# KiCad board Eclipse60 - Copy.kicad_pcb
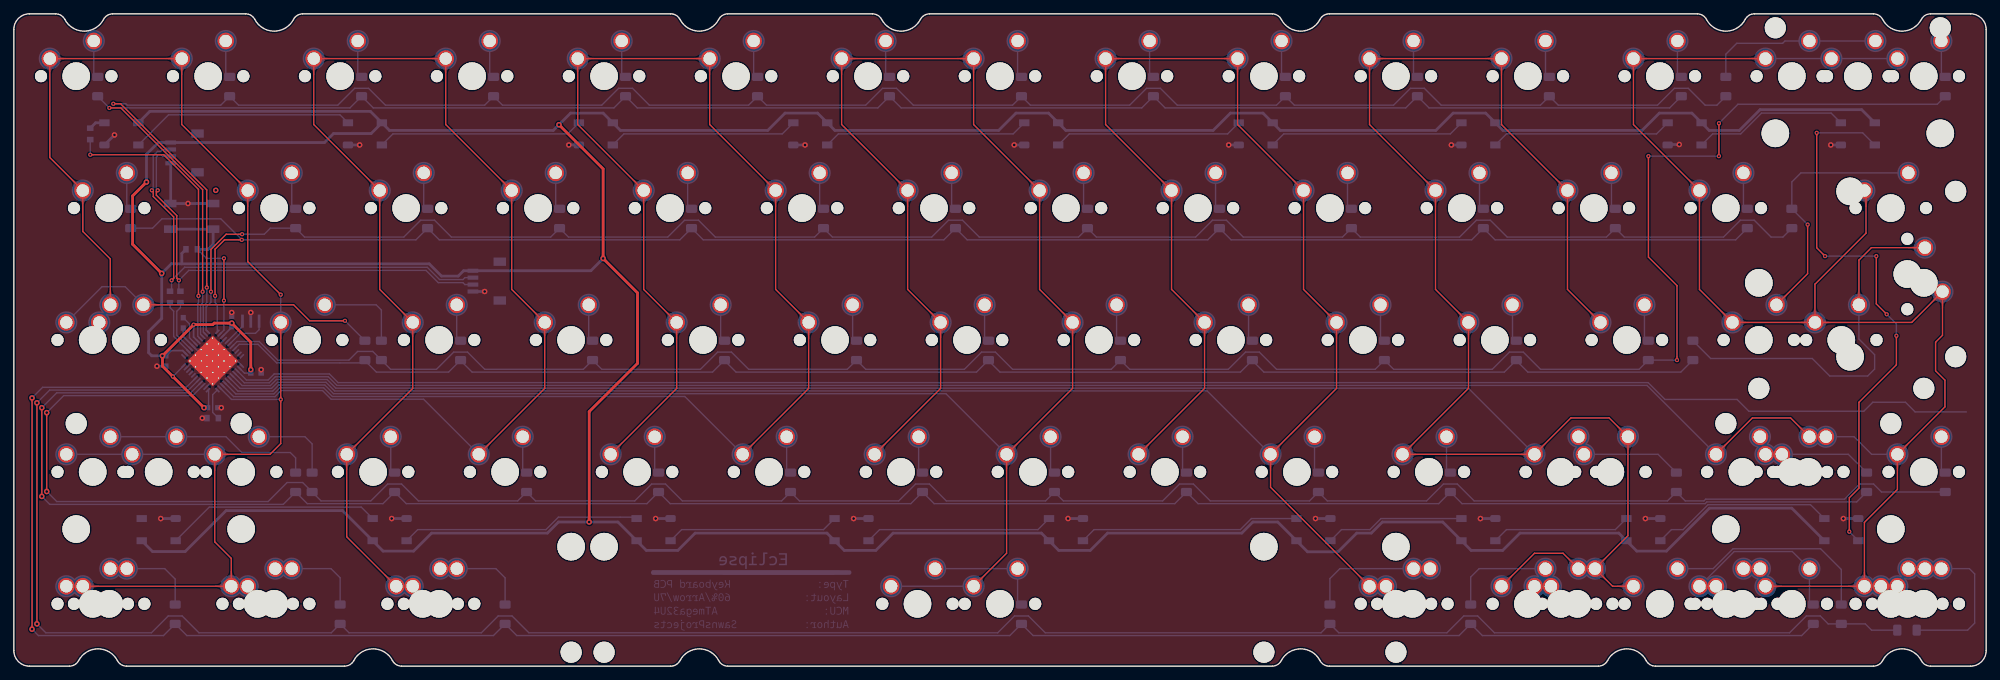
[diagram p0: board, top side]
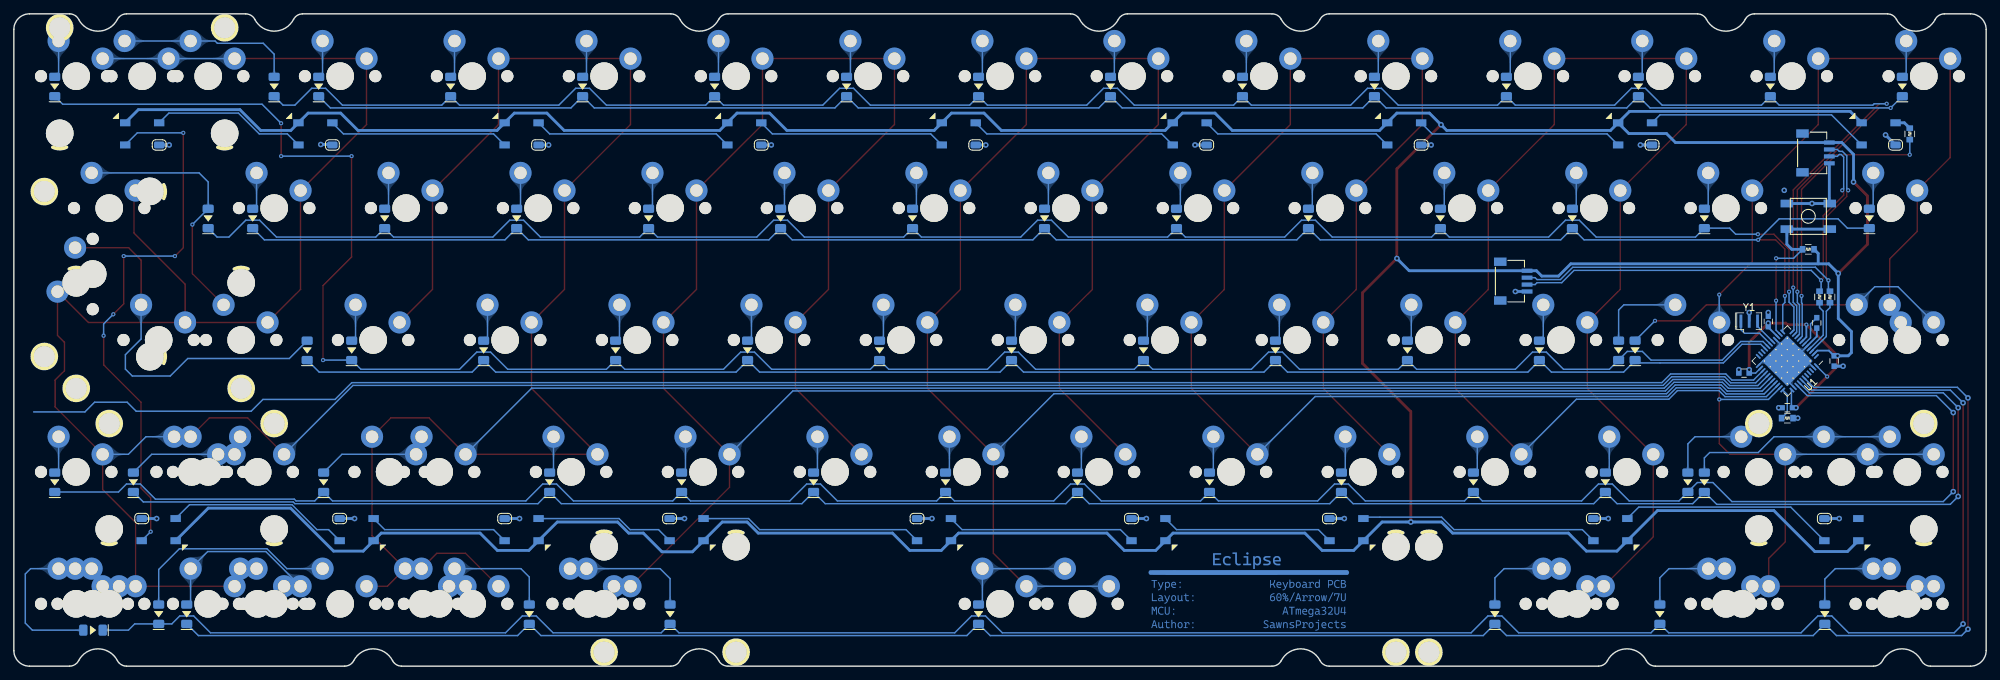
[diagram p1: board, bottom side, seen from below]

Outline 284.7 x 94.2 mm; copper layers: Top, Bottom. Coordinates in mm from the lower left corner of the outline.
Outline path: 0,91.95 arc(0.66,93.54) 2.25,94.2 6.03,94.2 arc(6.8,93.98) 7.36,93.39 arc(10.15,91.7) 12.94,93.39 arc(13.5,93.98) 14.27,94.2 33.45,94.2 arc(34.23,93.98) 34.78,93.39 arc(37.57,91.7) 40.37,93.39 arc(40.92,93.98) 41.7,94.2 94.83,94.2 arc(95.6,93.98) 96.16,93.39 arc(98.95,91.7) 101.74,93.39 arc(102.29,93.98) 103.07,94.2 123.94,94.2 arc(124.72,93.98) 125.27,93.39 arc(128.06,91.7) 130.86,93.39 arc(131.41,93.98) 132.19,94.2 181.63,94.2 arc(182.41,93.98) 182.96,93.39 arc(185.75,91.7) 188.54,93.39 arc(189.1,93.98) 189.87,94.2 243,94.2 arc(243.78,93.98) 244.33,93.39 arc(247.12,91.7) 249.92,93.39 arc(250.47,93.98) 251.25,94.2 268.43,94.2 arc(269.2,93.98) 269.76,93.39 arc(272.55,91.7) 275.34,93.39 arc(275.9,93.98) 276.67,94.2 282.45,94.2 arc(284.04,93.54) 284.7,91.95 284.7,2.25 arc(284.04,0.66) 282.45,0 276.67,0 arc(275.9,0.22) 275.34,0.81 arc(272.55,2.5) 269.76,0.81 arc(269.21,0.22) 268.43,0 236.96,0 arc(236.18,0.22) 235.63,0.81 arc(232.84,2.5) 230.04,0.81 arc(229.49,0.22) 228.71,0 189.87,0 arc(189.09,0.22) 188.54,0.81 arc(185.75,2.5) 182.96,0.81 arc(182.4,0.22) 181.63,0 103.07,0 arc(102.29,0.22) 101.74,0.81 arc(98.95,2.5) 96.16,0.81 arc(95.6,0.22) 94.83,0 55.99,0 arc(55.21,0.22) 54.66,0.81 arc(51.86,2.5) 49.07,0.81 arc(48.52,0.22) 47.74,0 16.27,0 arc(15.49,0.22) 14.94,0.81 arc(12.15,2.5) 9.36,0.81 arc(8.8,0.22) 8.03,0 2.25,0 arc(0.66,0.66) 0,2.25 0,91.95

## Placement (name value [footprint] x y rotation side)
C1  1uF  [C_0603]  24.45 49.57 270 bottom
C2  10uF  [C_0603]  21.95 44.07 90 bottom
C3  0.1uF  [C_0603]  34.95 42.32 180 bottom
C4  0.1uF  [C_0603]  28.7 37.32 180 bottom
C5  0.1uF  [C_0603]  31.45 49.79 270 bottom
D1  1N4148W  [DIODE_1206_SawnsProjects]  12.1 83.7 90 bottom
D2  1N4148W  [DIODE_1206_SawnsProjects]  31.15 83.7 90 bottom
D3  1N4148W  [DIODE_1206_SawnsProjects]  50.2 83.7 90 bottom
D4  1N4148W  [DIODE_1206_SawnsProjects]  69.25 83.7 90 bottom
D5  1N4148W  [DIODE_1206_SawnsProjects]  88.3 83.7 90 bottom
D6  1N4148W  [DIODE_1206_SawnsProjects]  107.35 83.7 90 bottom
D7  1N4148W  [DIODE_1206_SawnsProjects]  126.4 83.7 90 bottom
D8  1N4148W  [DIODE_1206_SawnsProjects]  145.45 83.7 90 bottom
D9  1N4148W  [DIODE_1206_SawnsProjects]  164.5 83.7 90 bottom
D10  1N4148W  [DIODE_1206_SawnsProjects]  183.55 83.7 90 bottom
D11  1N4148W  [DIODE_1206_SawnsProjects]  202.6 83.7 90 bottom
D12  1N4148W  [DIODE_1206_SawnsProjects]  221.65 83.7 90 bottom
D13  1N4148W  [DIODE_1206_SawnsProjects]  240.7 83.7 90 bottom
D14  1N4148W  [DIODE_1206_SawnsProjects]  247.13 83.7 90 bottom
D15  1N4148W  [DIODE_1206_SawnsProjects]  278.8 83.7 90 bottom
D16  1N4148W  [DIODE_1206_SawnsProjects]  189.98 7.5 90 bottom
D17  1N4148W  [DIODE_1206_SawnsProjects]  16.86 64.65 90 bottom
D18  1N4148W  [DIODE_1206_SawnsProjects]  40.67 64.65 90 bottom
D19  1N4148W  [DIODE_1206_SawnsProjects]  59.72 64.65 90 bottom
D20  1N4148W  [DIODE_1206_SawnsProjects]  78.77 64.65 90 bottom
D21  1N4148W  [DIODE_1206_SawnsProjects]  97.82 64.65 90 bottom
D22  1N4148W  [DIODE_1206_SawnsProjects]  116.87 64.65 90 bottom
D23  1N4148W  [DIODE_1206_SawnsProjects]  135.92 64.65 90 bottom
D24  1N4148W  [DIODE_1206_SawnsProjects]  154.97 64.65 90 bottom
D25  1N4148W  [DIODE_1206_SawnsProjects]  174.02 64.65 90 bottom
D26  1N4148W  [DIODE_1206_SawnsProjects]  193.07 64.65 90 bottom
D27  1N4148W  [DIODE_1206_SawnsProjects]  212.12 64.65 90 bottom
D28  1N4148W  [DIODE_1206_SawnsProjects]  231.17 64.65 90 bottom
D29  1N4148W  [DIODE_1206_SawnsProjects]  250.22 64.65 90 bottom
D30  1N4148W  [DIODE_1206_SawnsProjects]  256.65 64.65 90 bottom
D33  1N4148W  [DIODE_1206_SawnsProjects]  50.67 45.6 90 bottom
D34  1N4148W  [DIODE_1206_SawnsProjects]  53.05 45.6 90 bottom
D35  1N4148W  [DIODE_1206_SawnsProjects]  64.49 45.6 90 bottom
D36  1N4148W  [DIODE_1206_SawnsProjects]  83.54 45.6 90 bottom
D37  1N4148W  [DIODE_1206_SawnsProjects]  102.59 45.6 90 bottom
D38  1N4148W  [DIODE_1206_SawnsProjects]  121.64 45.6 90 bottom
D39  1N4148W  [DIODE_1206_SawnsProjects]  140.69 45.6 90 bottom
D40  1N4148W  [DIODE_1206_SawnsProjects]  159.74 45.6 90 bottom
D41  1N4148W  [DIODE_1206_SawnsProjects]  178.79 45.6 90 bottom
D42  1N4148W  [DIODE_1206_SawnsProjects]  197.84 45.6 90 bottom
D43  1N4148W  [DIODE_1206_SawnsProjects]  216.89 45.6 90 bottom
D44  1N4148W  [DIODE_1206_SawnsProjects]  235.94 45.6 90 bottom
D45  1N4148W  [DIODE_1206_SawnsProjects]  242.36 45.6 90 bottom
D49  1N4148W  [DIODE_1206_SawnsProjects]  40.67 26.55 90 bottom
D50  1N4148W  [DIODE_1206_SawnsProjects]  43.06 26.55 90 bottom
D51  1N4148W  [DIODE_1206_SawnsProjects]  54.96 26.55 90 bottom
D52  1N4148W  [DIODE_1206_SawnsProjects]  74.01 26.55 90 bottom
D53  1N4148W  [DIODE_1206_SawnsProjects]  93.06 26.55 90 bottom
D54  1N4148W  [DIODE_1206_SawnsProjects]  112.11 26.55 90 bottom
D55  1N4148W  [DIODE_1206_SawnsProjects]  131.16 26.55 90 bottom
D56  1N4148W  [DIODE_1206_SawnsProjects]  150.21 26.55 90 bottom
D57  1N4148W  [DIODE_1206_SawnsProjects]  169.26 26.55 90 bottom
D58  1N4148W  [DIODE_1206_SawnsProjects]  188.31 26.55 90 bottom
D59  1N4148W  [DIODE_1206_SawnsProjects]  207.36 26.55 90 bottom
D60  1N4148W  [DIODE_1206_SawnsProjects]  239.98 26.55 90 bottom
D62  1N4148W  [DIODE_1206_SawnsProjects]  267.45 26.55 90 bottom
D63  1N4148W  [DIODE_1206_SawnsProjects]  278.8 26.55 90 bottom
D65  1N4148W  [DIODE_1206_SawnsProjects]  23.29 7.5 90 bottom
D66  1N4148W  [DIODE_1206_SawnsProjects]  47.1 7.5 90 bottom
D67  1N4148W  [DIODE_1206_SawnsProjects]  70.91 7.5 90 bottom
D68  1N4148W  [DIODE_1206_SawnsProjects]  210.3 7.5 90 bottom
D69  1N4148W  [DIODE_1206_SawnsProjects]  145.45 7.5 90 bottom
D70  1N4148W  [DIODE_1206_SawnsProjects]  263.79 7.5 90 bottom
D71  1N4148W  [DIODE_1206_SawnsProjects]  259.75 7.5 90 bottom
D72  1N4148W  [DIODE_1206_SawnsProjects]  273.28 5.2 0 bottom
Eclipse  LOGO  [Eclipse]  103.64 11.32 0 top
G***  LOGO  [sanpjxlogo]  167.44 10.42 0 top
G***#2  LOGO  [wattermaskCu]  106.44 10.72 180 bottom
G***#3  LOGO  [wattermask]  106.44 10.72 180 bottom
J1  Daughterboard  [JST-SR-4]  71.04 55.6 270 bottom
J2  Daughterboard  [JST-SR-4]  27.41 74.12 270 bottom
MX1  1U  [MXOnly-1U-NoLED]  9 85.2 0 top
MX2  1U  [MXOnly-1U-NoLED]  28.05 85.2 0 top
MX3  1U  [MXOnly-1U-NoLED]  47.1 85.2 0 top
MX4  1U  [MXOnly-1U-NoLED]  66.15 85.2 0 top
MX5  1U  [MXOnly-1U-NoLED]  85.2 85.2 0 top
MX6  1U  [MXOnly-1U-NoLED]  104.25 85.2 0 top
MX7  1U  [MXOnly-1U-NoLED]  123.3 85.2 0 top
MX8  1U  [MXOnly-1U-NoLED]  142.35 85.2 0 top
MX9  1U  [MXOnly-1U-NoLED]  161.4 85.2 0 top
MX10  1U  [MXOnly-1U-NoLED]  180.45 85.2 0 top
MX11  1U  [MXOnly-1U-NoLED]  199.5 85.2 0 top
MX12  1U  [MXOnly-1U-NoLED]  218.55 85.2 0 top
MX13  1U  [MXOnly-1U-NoLED]  237.6 85.2 0 top
MX14  1U  [MXOnly-1U-NoLED]  256.65 85.2 0 top
MX15  1U  [MXOnly-1U-NoLED]  275.7 85.2 0 top
MX16  1U  [MXOnly-1U-NoLED]  199.5 9 0 top
MX17  1.5U  [MXOnly-1.5U-NoLED]  13.76 66.15 0 top
MX18  1U  [MXOnly-1U-NoLED]  37.58 66.15 0 top
MX19  1U  [MXOnly-1U-NoLED]  56.63 66.15 0 top
MX20  1U  [MXOnly-1U-NoLED]  75.68 66.15 0 top
MX21  1U  [MXOnly-1U-NoLED]  94.73 66.15 0 top
MX22  1U  [MXOnly-1U-NoLED]  113.78 66.15 0 top
MX23  1U  [MXOnly-1U-NoLED]  132.83 66.15 0 top
MX24  1U  [MXOnly-1U-NoLED]  151.88 66.15 0 top
MX25  1U  [MXOnly-1U-NoLED]  170.93 66.15 0 top
MX26  1U  [MXOnly-1U-NoLED]  189.98 66.15 0 top
MX27  1U  [MXOnly-1U-NoLED]  209.03 66.15 0 top
MX28  1U  [MXOnly-1U-NoLED]  228.08 66.15 0 top
MX29  1U  [MXOnly-1U-NoLED]  247.13 66.15 0 top
MX30  1.5U  [MXOnly-1.5U-NoLED]  270.94 66.15 0 top
MX31  2.25U  [MXOnly-2.25U-NoLED]  20.91 28.05 0 top
MX32  1U  [MXOnly-1U-NoLED]  218.55 9 0 top
MX33  1.75U  [MXOnly-1.75U-NoLED]  16.14 47.1 0 top
MX34  1U  [MXOnly-1U-NoLED]  42.34 47.1 0 top
MX35  1U  [MXOnly-1U-NoLED]  61.39 47.1 0 top
MX36  1U  [MXOnly-1U-NoLED]  80.44 47.1 0 top
MX37  1U  [MXOnly-1U-NoLED]  99.49 47.1 0 top
MX38  1U  [MXOnly-1U-NoLED]  118.54 47.1 0 top
MX39  1U  [MXOnly-1U-NoLED]  137.59 47.1 0 top
MX40  1U  [MXOnly-1U-NoLED]  156.64 47.1 0 top
MX41  1U  [MXOnly-1U-NoLED]  175.69 47.1 0 top
MX42  1U  [MXOnly-1U-NoLED]  194.74 47.1 0 top
MX43  1U  [MXOnly-1U-NoLED]  213.79 47.1 0 top
MX44  1U  [MXOnly-1U-NoLED]  232.84 47.1 0 top
MX45  2.25U  [MXOnly-2.25U-ReversedStabilizers-NoLED]  263.79 47.1 0 top
MX46  1U  [MXOnly-2U-NoLED]  266.18 85.2 0 top
MX47  1.75U  [MXOnly-1.75U-NoLED]  230.46 28.05 0 top
MX48  1U  [MXOnly-1U-NoLED]  237.6 9 0 top
MX49  1.25U  [MXOnly-1.25U-NoLED]  11.38 28.05 0 top
MX50  1U  [MXOnly-1U-NoLED]  32.81 28.05 0 top
MX51  1U  [MXOnly-1U-NoLED]  51.86 28.05 0 top
MX52  1U  [MXOnly-1U-NoLED]  70.91 28.05 0 top
MX53  1U  [MXOnly-1U-NoLED]  89.96 28.05 0 top
MX54  1U  [MXOnly-1U-NoLED]  109.01 28.05 0 top
MX55  1U  [MXOnly-1U-NoLED]  128.06 28.05 0 top
MX56  1U  [MXOnly-1U-NoLED]  147.11 28.05 0 top
MX57  1U  [MXOnly-1U-NoLED]  166.16 28.05 0 top
MX58  1U  [MXOnly-1U-NoLED]  185.21 28.05 0 top
MX59  1U  [MXOnly-1U-NoLED]  204.26 28.05 0 top
MX60  1U  [MXOnly-1U-NoLED]  223.31 28.05 0 top
MX61  1.5U  [MXOnly-1.5U-NoLED]  223.31 9 0 top
MX62  1.75U  [MXOnly-1.75U-NoLED]  249.51 28.05 0 top
MX63  1U  [MXOnly-1U-NoLED]  275.7 28.05 0 top
MX64  1.25U  [MXOnly-1.25U-NoLED]  201.88 9 0 top
MX65  1.25U  [MXOnly-1.25U-NoLED]  11.38 47.1 0 top
MX66  1.25U  [MXOnly-1.25U-NoLED]  11.38 9 0 top
MX67  1.25U  [MXOnly-1.25U-NoLED]  35.19 9 0 top
MX68  1.25U  [MXOnly-1.25U-NoLED]  59.01 9 0 top
MX69  1.25U  [MXOnly-1.25U-NoLED]  225.69 9 0 top
MX70  6.25U  [MXOnly-6.25U-ReversedStabilizers-NoLED]  130.44 9 0 top
MX71  1.25U  [MXOnly-1.25U-NoLED]  249.51 9 0 top
MX72  1U  [MXOnly-1U-NoLED]  256.65 9 0 top
MX73  1U  [MXOnly-1U-NoLED]  275.7 9 0 top
MX74  1.25U  [MXOnly-1.25U-NoLED]  273.32 9 0 top
MX75  1U  [MXOnly-1U-NoLED]  256.65 28.05 0 top
MX76  2.75U  [MXOnly-2.75U-NoLED]  259.03 28.05 0 top
MX77  1U  [MXOnly-1U-NoLED]  247.13 9 0 top
MX78  1.5U  [MXOnly-1.5U-NoLED]  270.94 9 0 top
MX79  7U  [MXOnly-7U-ReversedStabilizers-NoLED]  142.35 9 0 top
MX80  1.5U  [MXOnly-1.5U-NoLED]  13.76 9 0 top
MX81  1.5U  [MXOnly-1.5U-NoLED]  61.39 9 0 top
MX82  1U  [MXOnly-1U-NoLED]  37.58 9 0 top
MX83  1U  [MXOnly-1U-NoLED]  251.89 47.1 0 top
MX84  ISO  [MXOnly-ISO-ROTATED-ReversedStabilizers-NoLED]  273.32 56.62 0 top
R1  10k  [R_0603]  28.7 35.82 0 bottom
R2  22R  [R_0603]  24.04 53.32 90 bottom
R3  22R  [R_0603]  22.54 53.32 270 bottom
R4  10k  [R_0603]  25.67 60.2 0 bottom
R5  300R  [R_0603]  11.03 76.87 90 bottom
RGB1  WS2812B  [LED_WS2812B_PLCC4_5.0x5.0mm_P3.2mm]  15.53 76.87 180 bottom
RGB2  WS2812B  [LED_WS2812B_PLCC4_5.0x5.0mm_P3.2mm]  50.67 76.87 180 bottom
RGB3  WS2812B  [LED_WS2812B_PLCC4_5.0x5.0mm_P3.2mm]  84.01 76.87 180 bottom
RGB4  WS2812B  [LED_WS2812B_PLCC4_5.0x5.0mm_P3.2mm]  114.97 76.87 180 bottom
RGB5  WS2812B  [LED_WS2812B_PLCC4_5.0x5.0mm_P3.2mm]  148.3 76.87 180 bottom
RGB6  WS2812B  [LED_WS2812B_PLCC4_5.0x5.0mm_P3.2mm]  179.26 76.87 180 bottom
RGB7  WS2812B  [LED_WS2812B_PLCC4_5.0x5.0mm_P3.2mm]  211.41 76.87 180 bottom
RGB8  WS2812B  [LED_WS2812B_PLCC4_5.0x5.0mm_P3.2mm]  241.17 76.87 180 bottom
RGB9  WS2812B  [LED_WS2812B_PLCC4_5.0x5.0mm_P3.2mm]  266.18 76.87 180 bottom
RGB10  WS2812B  [LED_WS2812B_PLCC4_5.0x5.0mm_P3.2mm]  20.91 19.72 0 bottom
RGB11  WS2812B  [LED_WS2812B_PLCC4_5.0x5.0mm_P3.2mm]  54.24 19.72 0 bottom
RGB12  WS2812B  [LED_WS2812B_PLCC4_5.0x5.0mm_P3.2mm]  92.34 19.72 0 bottom
RGB13  WS2812B  [LED_WS2812B_PLCC4_5.0x5.0mm_P3.2mm]  120.92 19.72 0 bottom
RGB14  WS2812B  [LED_WS2812B_PLCC4_5.0x5.0mm_P3.2mm]  151.88 19.72 0 bottom
RGB15  WS2812B  [LED_WS2812B_PLCC4_5.0x5.0mm_P3.2mm]  187.59 19.72 0 bottom
RGB16  WS2812B  [LED_WS2812B_PLCC4_5.0x5.0mm_P3.2mm]  211.41 19.72 0 bottom
RGB17  WS2812B  [LED_WS2812B_PLCC4_5.0x5.0mm_P3.2mm]  235.22 19.72 0 bottom
RGB18  WS2812B  [LED_WS2812B_PLCC4_5.0x5.0mm_P3.2mm]  263.79 19.72 0 bottom
SW1  SW_Push  [SKQG-1155865-fix]  25.67 64.96 0 bottom
U1  ATmega32U4-MU  [QFN-44-1EP_7x7mm_P0.5mm_EP5.15x5.15mm_ThermalVias]  28.7 44.07 315 bottom
Y1  16MHz  [Resonator_SMD_muRata_CSTxExxV-3Pin_3.0x1.1mm]  34.2 49.82 180 bottom

## Footprints (pads in the part's own frame, mm; a bottom-side part is the same pattern mirrored in y, then rotated)
C_0603
  rect 0.8x0.75 smd: 1(-0.75,0) 2(0.75,0)
DIODE_1206_SawnsProjects
  rrect 1.2x1.6 smd: 1(-1.4,0) 2(1.4,0)
JST-SR-4
  rect 1.2x1.8 smd: (-2.8,0.9) (2.8,0.9)
  rect 0.6x1.55 smd: 1(-1.5,4.775) 2(-0.5,4.775) 3(0.5,4.775) 4(1.5,4.775)
LED_WS2812B_PLCC4_5.0x5.0mm_P3.2mm
  rect 1.5x1 smd: 1(-2.45,1.6) 2(-2.45,-1.6) 4(2.45,1.6)
  rrect 1.5x1 smd: 3(2.45,-1.6)
MXOnly-1.5U-NoLED
  round 1.75 hole 1.75 unplated: (-5.08,0) (5.08,0)
  round 2.8 smd: (-3.81,2.54) (2.54,5.08)
  round 3.988 hole 3.988 unplated: (0,0)
  round 1 smd: (3.099,0)
  round 2.4 hole 1.8: 1(-3.81,2.54) 2(2.54,5.08)
  round 3.2 smd far side: 1(-3.81,2.54) 2(2.54,5.08)
MXOnly-1.25U-NoLED
  round 1.75 hole 1.75 unplated: (-5.08,0) (5.08,0)
  round 2.8 smd: (-3.81,2.54) (2.54,5.08)
  round 3.988 hole 3.988 unplated: (0,0)
  round 1 smd: (3.099,0)
  round 2.4 hole 1.8: 1(-3.81,2.54) 2(2.54,5.08)
  round 3.2 smd far side: 1(-3.81,2.54) 2(2.54,5.08)
MXOnly-1.75U-NoLED
  round 1.75 hole 1.75 unplated: (-5.08,0) (5.08,0)
  round 2.8 smd: (-3.81,2.54) (2.54,5.08)
  round 3.988 hole 3.988 unplated: (0,0)
  round 1 smd: (3.099,0)
  round 2.4 hole 1.8: 1(-3.81,2.54) 2(2.54,5.08)
  round 3.2 smd far side: 1(-3.81,2.54) 2(2.54,5.08)
MXOnly-1U-NoLED
  round 1.75 hole 1.75 unplated: (-5.08,0) (5.08,0)
  round 2.8 smd: (-3.81,2.54) (2.54,5.08)
  round 3.988 hole 3.988 unplated: (0,0)
  round 1 smd: (3.099,0)
  round 2.4 hole 1.8: 1(-3.81,2.54) 2(2.54,5.08)
  round 3.2 smd far side: 1(-3.81,2.54) 2(2.54,5.08)
MXOnly-2.25U-NoLED
  round 3.048 hole 3.048 unplated: (-11.906,6.985) (11.906,6.985)
  round 3.988 hole 3.988 unplated: (-11.906,-8.255) (0,0) (11.906,-8.255)
  round 1.75 hole 1.75 unplated: (-5.08,0) (5.08,0)
  round 2.8 smd: (-3.81,2.54) (2.54,5.08)
  round 1 smd: (3.099,0)
  round 2.4 hole 1.8: 1(-3.81,2.54) 2(2.54,5.08)
  round 3.2 smd far side: 1(-3.81,2.54) 2(2.54,5.08)
MXOnly-2.25U-ReversedStabilizers-NoLED
  round 3.988 hole 3.988 unplated: (-11.906,8.255) (0,0) (11.906,8.255)
  round 3.048 hole 3.048 unplated: (-11.906,-6.985) (11.906,-6.985)
  round 1.75 hole 1.75 unplated: (-5.08,0) (5.08,0)
  round 2.8 smd: (-3.81,2.54) (2.54,5.08)
  round 1 smd: (3.099,0)
  round 2.4 hole 1.8: 1(-3.81,2.54) 2(2.54,5.08)
  round 3.2 smd far side: 1(-3.81,2.54) 2(2.54,5.08)
MXOnly-2.75U-NoLED
  round 3.048 hole 3.048 unplated: (-11.906,6.985) (11.906,6.985)
  round 3.988 hole 3.988 unplated: (-11.906,-8.255) (0,0) (11.906,-8.255)
  round 1.75 hole 1.75 unplated: (-5.08,0) (5.08,0)
  round 2.8 smd: (-3.81,2.54) (2.54,5.08)
  round 1 smd: (3.099,0)
  round 2.4 hole 1.8: 1(-3.81,2.54) 2(2.54,5.08)
  round 3.2 smd far side: 1(-3.81,2.54) 2(2.54,5.08)
MXOnly-2U-NoLED
  round 3.048 hole 3.048 unplated: (-11.906,6.985) (11.906,6.985)
  round 3.988 hole 3.988 unplated: (-11.906,-8.255) (0,0) (11.906,-8.255)
  round 1.75 hole 1.75 unplated: (-5.08,0) (5.08,0)
  round 2.8 smd: (-3.81,2.54) (2.54,5.08)
  round 1 smd: (3.099,0)
  round 2.4 hole 1.8: 1(-3.81,2.54) 2(2.54,5.08)
  round 3.2 smd far side: 1(-3.81,2.54) 2(2.54,5.08)
MXOnly-6.25U-ReversedStabilizers-NoLED
  round 3.988 hole 3.988 unplated: (-50,8.255) (0,0) (50,8.255)
  round 3.048 hole 3.048 unplated: (-50,-6.985) (50,-6.985)
  round 1.75 hole 1.75 unplated: (-5.08,0) (5.08,0)
  round 2.8 smd: (-3.81,2.54) (2.54,5.08)
  round 1 smd: (3.099,0)
  round 2.4 hole 1.8: 1(-3.81,2.54) 2(2.54,5.08)
  round 3.2 smd far side: 1(-3.81,2.54) 2(2.54,5.08)
MXOnly-7U-ReversedStabilizers-NoLED
  round 3.988 hole 3.988 unplated: (-57.15,8.255) (0,0) (57.15,8.255)
  round 3.048 hole 3.048 unplated: (-57.15,-6.985) (57.15,-6.985)
  round 1.75 hole 1.75 unplated: (-5.08,0) (5.08,0)
  round 2.8 smd: (-3.81,2.54) (2.54,5.08)
  round 1 smd: (3.099,0)
  round 2.4 hole 1.8: 1(-3.81,2.54) 2(2.54,5.08)
  round 3.2 smd far side: 1(-3.81,2.54) 2(2.54,5.08)
MXOnly-ISO-ROTATED-ReversedStabilizers-NoLED
  round 3.988 hole 3.988 unplated: (-8.255,11.938) (-8.255,-11.938) (0,0)
  round 1.75 hole 1.75 unplated: (0,5.08) (0,-5.08)
  round 1 smd: (0,-3.099)
  round 2.8 smd: (2.54,3.81) (5.08,-2.54)
  round 3.048 hole 3.048 unplated: (6.985,11.938) (6.985,-11.938)
  round 2.4 hole 1.8: 1(2.54,3.81) 2(5.08,-2.54)
  round 3.2 smd far side: 1(2.54,3.81) 2(5.08,-2.54)
QFN-44-1EP_7x7mm_P0.5mm_EP5.15x5.15mm_ThermalVias
  rrect 0.997x0.997 smd: (-1.744,-1.744) (-1.744,-0.581) (-1.744,0.581) (-1.744,1.744) (-0.581,-1.744) (-0.581,-0.581) (-0.581,0.581) (-0.581,1.744) (0.581,-1.744) (0.581,-0.581) (0.581,0.581) (0.581,1.744) (1.744,-1.744) (1.744,-0.581) (1.744,0.581) (1.744,1.744)
  rrect 0.875x0.25 smd: 1(-3.438,2.5) 2(-3.438,2) 3(-3.438,1.5) 4(-3.438,1) 5(-3.438,0.5) 6(-3.438,0) 7(-3.438,-0.5) 8(-3.438,-1) 9(-3.438,-1.5) 10(-3.438,-2) 11(-3.438,-2.5) 23(3.438,-2.5) 24(3.438,-2) 25(3.438,-1.5) 26(3.438,-1) 27(3.438,-0.5) 28(3.438,0) 29(3.438,0.5) 30(3.438,1) 31(3.438,1.5) 32(3.438,2) 33(3.438,2.5)
  rrect 0.25x0.875 smd: 12(-2.5,-3.438) 13(-2,-3.438) 14(-1.5,-3.438) 15(-1,-3.438) 16(-0.5,-3.438) 17(0,-3.438) 18(0.5,-3.438) 19(1,-3.438) 20(1.5,-3.438) 21(2,-3.438) 22(2.5,-3.438) 34(2.5,3.438) 35(2,3.438) 36(1.5,3.438) 37(1,3.438) 38(0.5,3.438) 39(0,3.438) 40(-0.5,3.438) 41(-1,3.438) 42(-1.5,3.438) 43(-2,3.438) 44(-2.5,3.438)
  round 0.5 hole 0.2: 45(-2.325,-2.325) 45(-2.325,-1.163) 45(-2.325,0) 45(-2.325,1.163) 45(-2.325,2.325) 45(-1.163,0) 45(-1.163,-2.325) 45(-1.163,-1.163) 45(-1.163,1.163) 45(-1.163,2.325) 45(0,-2.325) 45(0,-1.163) 45(0,0) 45(0,1.163) 45(0,2.325) 45(1.163,-2.325) 45(1.163,-1.163) 45(1.163,1.163) 45(1.163,2.325) 45(1.163,0) 45(2.325,-2.325) 45(2.325,-1.163) 45(2.325,0) 45(2.325,1.163) 45(2.325,2.325)
  rect 5.15x5.15 smd far side: 45(0,0)
  rect 5.15x5.15 smd: 45(0,0)
R_0603
  rect 0.8x0.95 smd: 1(-0.825,0) 2(0.825,0)
Resonator_SMD_muRata_CSTxExxV-3Pin_3.0x1.1mm
  rect 0.4x1.9 smd: 1(-1.2,0) 2(0,0) 3(1.2,0)
SKQG-1155865-fix
  rect 1.8x1.1 smd: 1(-3.1,-1.85) 1(3.1,-1.85) 2(-3.1,1.85) 2(3.1,1.85)

## Nets
+5V: C2.2 C3.2 C4.2 C5.2 J1.1 J2.1 R4.1 RGB1.1 RGB2.1 RGB3.1 RGB4.1 RGB5.1 RGB6.1 RGB7.1 RGB8.1 RGB9.1 RGB10.1 RGB11.1 RGB12.1 RGB13.1 RGB14.1 RGB15.1 RGB16.1 RGB17.1 RGB18.1 U1.2 U1.7 U1.14 U1.24 U1.34 U1.44
GND: C1.2 C2.1 C3.1 C4.1 C5.1 J1.4 J2.4 R1.1 RGB1.3 RGB2.3 RGB3.3 RGB4.3 RGB5.3 RGB6.3 RGB7.3 RGB8.3 RGB9.3 RGB10.3 RGB11.3 RGB12.3 RGB13.3 RGB14.3 RGB15.3 RGB16.3 RGB17.3 RGB18.3 SW1.1 U1.5 U1.15 U1.23 U1.35 U1.43 U1.45 Y1.2
/M+: R2.1 U1.4
/M-: R3.2 U1.3
C0: MX1.1 MX2.1 MX17.1 MX18.1 MX31.1 MX33.1 MX34.1 MX49.1 MX50.1 MX65.2 MX66.1 MX67.1 MX80.1 MX82.1 U1.32
C1: MX3.1 MX4.1 MX19.1 MX20.1 MX35.1 MX36.1 MX51.1 MX52.1 MX68.1 MX81.1 U1.31
C2: MX5.1 MX6.1 MX21.1 MX22.1 MX37.1 MX38.1 MX53.1 MX54.1 U1.30
C3: MX7.1 MX8.1 MX23.1 MX24.1 MX39.1 MX40.1 MX55.1 MX56.1 MX70.1 MX79.1 U1.29
C4: MX9.1 MX10.1 MX16.1 MX25.1 MX26.1 MX41.1 MX42.1 MX57.1 MX58.1 MX64.1 U1.28
C5: MX11.1 MX12.1 MX27.1 MX28.1 MX32.1 MX43.1 MX44.1 MX47.2 MX48.1 MX59.1 MX60.1 MX61.2 MX69.2 U1.27
C6: MX13.1 MX14.1 MX15.1 MX29.1 MX30.1 MX45.1 MX46.1 MX62.1 MX63.1 MX71.2 MX72.1 MX73.1 MX74.1 MX75.2 MX76.2 MX77.2 MX78.1 MX83.1 MX84.2 U1.26
D+: J1.3 J2.3 R2.2
D-: J1.2 J2.2 R3.1
R0: D1.1 D3.1 D5.1 D7.1 D9.1 D11.1 D13.1 U1.9
R1: D2.1 D4.1 D6.1 D8.1 D10.1 D12.1 D14.1 U1.10
R2: D17.1 D19.1 D21.1 D23.1 D25.1 D27.1 D29.1 U1.12
R3: D18.1 D20.1 D22.1 D24.1 D26.1 D28.1 D30.1 U1.11
R4: D33.1 D35.1 D37.1 D39.1 D41.1 D43.1 D45.1 U1.19
R5: D15.1 D34.1 D36.1 D38.1 D40.1 D42.1 D44.1 U1.18
R6: D49.1 D51.1 D53.1 D55.1 D57.1 D59.1 D62.1 U1.37
R7: D50.1 D52.1 D54.1 D56.1 D58.1 D60.1 D63.1 U1.36
R8: D65.1 D67.1 D68.1 D69.1 D71.1 U1.39
R9: D16.1 D66.1 D70.1 D72.1 U1.38
RGB: R5.2 RGB1.4
Net-(C1-Pad1): C1.1 U1.6
Net-(D1-Pad2): D1.2 MX1.2
Net-(D2-Pad2): D2.2 MX2.2
Net-(D3-Pad2): D3.2 MX3.2
Net-(D4-Pad2): D4.2 MX4.2
Net-(D5-Pad2): D5.2 MX5.2
Net-(D6-Pad2): D6.2 MX6.2
Net-(D7-Pad2): D7.2 MX7.2
Net-(D8-Pad2): D8.2 MX8.2
Net-(D9-Pad2): D9.2 MX9.2
Net-(D10-Pad2): D10.2 MX10.2
Net-(D11-Pad2): D11.2 MX11.2
Net-(D12-Pad2): D12.2 MX12.2
Net-(D13-Pad2): D13.2 MX13.2
Net-(D14-Pad2): D14.2 MX14.2 MX46.2
Net-(D15-Pad2): D15.2 MX15.2
Net-(D16-Pad2): D16.2 MX16.2 MX64.2
Net-(D17-Pad2): D17.2 MX17.2
Net-(D18-Pad2): D18.2 MX18.2
Net-(D19-Pad2): D19.2 MX19.2
Net-(D20-Pad2): D20.2 MX20.2
Net-(D21-Pad2): D21.2 MX21.2
Net-(D22-Pad2): D22.2 MX22.2
Net-(D23-Pad2): D23.2 MX23.2
Net-(D24-Pad2): D24.2 MX24.2
Net-(D25-Pad2): D25.2 MX25.2
Net-(D26-Pad2): D26.2 MX26.2
Net-(D27-Pad2): D27.2 MX27.2
Net-(D28-Pad2): D28.2 MX28.2
Net-(D29-Pad2): D29.2 MX29.2
Net-(D30-Pad2): D30.2 MX30.2 MX83.2
Net-(D33-Pad2): D33.2 MX33.2 MX65.1
Net-(D34-Pad2): D34.2 MX34.2
Net-(D35-Pad2): D35.2 MX35.2
Net-(D36-Pad2): D36.2 MX36.2
Net-(D37-Pad2): D37.2 MX37.2
Net-(D38-Pad2): D38.2 MX38.2
Net-(D39-Pad2): D39.2 MX39.2
Net-(D40-Pad2): D40.2 MX40.2
Net-(D41-Pad2): D41.2 MX41.2
Net-(D42-Pad2): D42.2 MX42.2
Net-(D43-Pad2): D43.2 MX43.2
Net-(D44-Pad2): D44.2 MX44.2
Net-(D45-Pad2): D45.2 MX45.2 MX84.1
Net-(D49-Pad2): D49.2 MX31.2 MX49.2
Net-(D50-Pad2): D50.2 MX50.2
Net-(D51-Pad2): D51.2 MX51.2
Net-(D52-Pad2): D52.2 MX52.2
Net-(D53-Pad2): D53.2 MX53.2
Net-(D54-Pad2): D54.2 MX54.2
Net-(D55-Pad2): D55.2 MX55.2
Net-(D56-Pad2): D56.2 MX56.2
Net-(D57-Pad2): D57.2 MX57.2
Net-(D58-Pad2): D58.2 MX58.2
Net-(D59-Pad2): D59.2 MX59.2
Net-(D60-Pad2): D60.2 MX47.1 MX60.2
Net-(D62-Pad2): D62.2 MX62.2 MX75.1 MX76.1
Net-(D63-Pad2): D63.2 MX63.2
Net-(D65-Pad2): D65.2 MX66.2 MX80.2
Net-(D66-Pad2): D66.2 MX67.2 MX82.2
Net-(D67-Pad2): D67.2 MX68.2 MX81.2
Net-(D68-Pad2): D68.2 MX32.2 MX61.1 MX69.1
Net-(D69-Pad2): D69.2 MX70.2 MX79.2
Net-(D70-Pad2): D70.2 MX48.2
Net-(D71-Pad2): D71.2 MX71.1 MX72.2 MX77.1
Net-(D72-Pad2): D72.2 MX73.2 MX74.2 MX78.2
Net-(R1-Pad2): R1.2 U1.33
Net-(R4-Pad2): R4.2 SW1.2 U1.13
Net-(R5-Pad1): R5.1 U1.8
Net-(RGB1-Pad2): RGB1.2 RGB2.4
Net-(RGB2-Pad2): RGB2.2 RGB3.4
Net-(RGB3-Pad2): RGB3.2 RGB4.4
Net-(RGB4-Pad2): RGB4.2 RGB5.4
Net-(RGB5-Pad2): RGB5.2 RGB6.4
Net-(RGB6-Pad2): RGB6.2 RGB7.4
Net-(RGB7-Pad2): RGB7.2 RGB8.4
Net-(RGB8-Pad2): RGB8.2 RGB9.4